# Altium PCB fastcar.PcbDoc (part 5 of 6)
Units mm, origin at the board's own origin, x right, y up, seen from the top; angles counter-clockwise.
Board outline 341.4 x 93 mm, 6 copper layers (Component Side, Signal 1, Signal 2, GND, POWER, Solder Side); 271 components, 375 nets, 1876 pads, 1375 vias.
Unrouted connection lines stored in the file: 4.
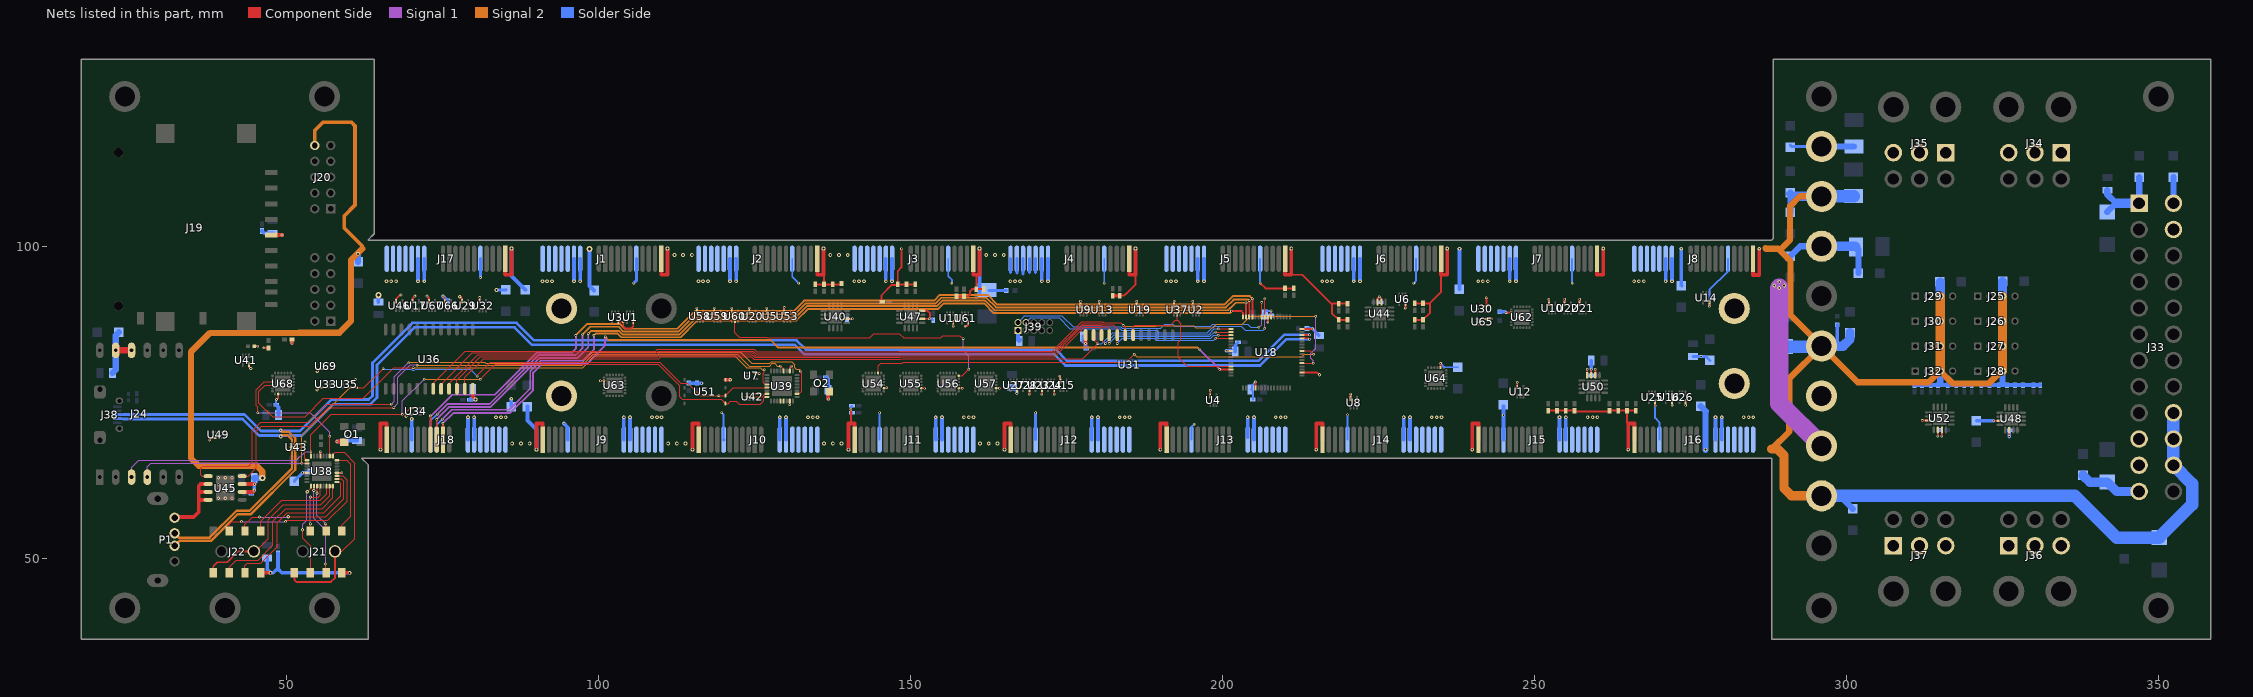
[diagram p9: the nets of this part, all layers, seen from the top]

## Via types
v1: diameter 0.4, hole 0.2, Component Side to Solder Side, 984 vias
v2: diameter 0.6, hole 0.3, Component Side to Solder Side, 212 vias
v3: diameter 0.5, hole 0.2, Component Side to Solder Side, 152 vias
v4: diameter 1, hole 0.5, Component Side to Solder Side, 27 vias

## Nets (pads, with @x,y where several pads share a name; then routed paths per layer and width w, separated by ;. In a path a pad name is that pad's centre, name@x,y a point inside that pad or via, vN(x,y) a via of type N, cw(c..) or ccw(c..) an arc to the next point about the centre after c; other vN are vias at no path point) (continued)
SG8CK: J24.4 U35.4 U38.10 U39.13 U51.6 | length 116.7
  Component Side w0.15: v1(52.4,65.2) U38.10@53.425,65.2 ; U35.4@60.25,77.35 61.1,77.35 v1(61.15,77.3) 62.3,77.3 v1(65.4,80.4) ; v1(80.5,79.2) 80.5,79.3 82.6,81.4 109.774,81.4 113.148,78.026 114.274,78.026 116.235,76.065 v1(119.235,76.065) U51.6@120.275,76.065 121.56,77.35 U39.13@127.175,77.35
  Signal 1 w0.15: J24.4@27.62,63 27.62,64.62 28.2,65.2 v1(52.4,65.2)
  Signal 2 w0.15: v1(52.4,65.2) 52.4,69.6 60.1,77.3 v1(61.15,77.3)
  Solder Side w0.15: v1(65.4,80.4) 65.4,80.3 69.899,80.3 70.074,80.125 70.426,80.125 70.626,80.325 79.375,80.325 v1(80.5,79.2)
SG8MOSI: J24.3 U34.4 U38.8 U39.16 U51.5 | length 120.6
  Component Side w0.15: U38.8@53.85,66.125 53.85,69.8 57.1,73.05 68.728,73.05 U34.4@69.728,74.05 ; v1(81,78.7) 83.4,81.1 109.477,81.1 112.975,77.602 112.975,75.875 113.4,75.45 119.62,75.45 U51.5@120.275,74.795 120.696,74.795 121.026,75.125 122.025,75.125 122.475,74.675 125.876,74.675 126.425,75.224 126.425,75.625 126.65,75.85 U39.16@127.1,75.85
  Signal 1 w0.15: J24.3@25.08,63 25.08,64.58 26.2,65.7 51.5,65.7 52.9,67.1 v1(53.85,67.1) ; v1(68.5,73.05) 68.5,75.2 v1(72,78.7)
  Signal 2 w0.15: v1(72,78.7) v1(81,78.7)
SIGMISO: U56.12 U60.2 | length 47.1
  Component Side w0.15: U60.2@121.8,88.1 121.8,86.16 122.535,85.425 126.897,85.425 127.022,85.3 143.4,85.3 144.075,85.975 148.174,85.975 148.849,85.3 154.801,85.3 155.126,85.625 157.875,85.625 158.3,85.2 v1(158.4,85.2) ; U56.12@157.675,79.25 158.25,79.25 v1(159.3,80.3)
  Signal 1 w0.15: v1(158.4,85.2) 158.4,83.297 159.3,82.397 v1(159.3,80.3)
SLOTINT: U18.41 U54.14 | length 74.3
  Component Side w0.15: U54.14@144.75,79.675 144.75,80.85 145.175,81.275 148.65,81.275 148.775,81.4 184.5,81.4 v1(185.8,82.7) ; U18.41@212.7,83.25 214.05,83.25 v1(214.6,82.7)
  Signal 2 w0.15: v1(185.8,82.7) 186.225,82.275 212.675,82.275 213.1,82.7 v1(214.6,82.7)
SPIADDR0: U18.1 U31.23 U36.23 | length 130.1
  Component Side w0.15: U36.23@78.515,77.15 78.515,78.974 81.541,82 109.576,82 109.876,82.3 124.401,82.3 124.827,81.875 127.451,81.875 ; 127.451,81.875 148.401,81.875 148.526,82 177.6,82 v1(180,84.4) 179.285,85.115 U31.23@179.285,85.75 ; v1(199.3,86.75) U18.1@201.3,86.75
  Solder Side w0.15: v1(180,84.4) 180.599,84.4 182.349,86.15 189.426,86.15 189.726,85.85 197.75,85.85 198.65,86.75 v1(199.3,86.75)
SPIADDR1: U18.2 U31.22 U36.22 | length 132.5
  Component Side w0.15: U36.22@77.245,77.15 77.245,78.55 80.995,82.3 109.451,82.3 109.751,82.6 124.526,82.6 124.951,82.175 127.326,82.175 148.277,82.175 148.402,82.3 173.074,82.3 177.774,87 180.41,87 180.555,86.855 180.555,85.045 v1(181.2,84.4) ; v1(198.9,86.25) U18.2@201.3,86.25
  Solder Side w0.15: v1(181.2,84.4) 181.2,84.441 182.609,85.85 189.301,85.85 189.601,85.55 197.926,85.55 198.626,86.25 v1(198.9,86.25)
SPIADDR2: U18.3 U31.21 U36.21 | length 133.9
  Component Side w0.15: U36.21@75.975,77.15 75.975,78.025 80.55,82.6 109.327,82.6 109.627,82.9 124.65,82.9 125.075,82.475 127.202,82.475 148.153,82.475 148.278,82.6 172.949,82.6 177.649,87.3 180.534,87.3 180.759,87.075 181.575,87.075 181.825,86.825 U31.21@181.825,85.75 v1(181.825,84.425) ; v1(199.3,85.75) U18.3@201.3,85.75
  Solder Side w0.15: v1@181.8,84.37 181.825,84.395 v1(181.825,84.425) 182.95,85.55 189.177,85.55 189.477,85.25 198.051,85.25 198.551,85.75 v1(199.3,85.75)
SPIADDR3: U18.4 U31.20 U36.20 | length 135.1
  Component Side w0.15: U36.20@74.705,77.15 74.705,77.885 79.72,82.9 109.203,82.9 109.503,83.2 124.774,83.2 125.199,82.775 126.999,82.775 148.028,82.775 148.153,82.9 172.825,82.9 177.525,87.6 180.659,87.6 180.839,87.42 182.47,87.42 183.095,86.795 U31.20@183.095,85.75 v1(183.095,84.405) ; v1@198.85,85.25 v1(198.9,85.25) U18.4@201.3,85.25
  Solder Side w0.15: v1(183.095,84.405) 183.095,84.435 183.91,85.25 189.053,85.25 189.353,84.95 198.6,84.95 v1(198.9,85.25)
SPIADDR4: U18.13 U31.18 U37.2 | length 25.8
  Component Side w0.15: U31.18@185.635,85.75 185.635,87.065 185.9,87.33 191.629,87.33 192.424,88.125 192.695,88.125 192.7,88.13 ; U37.2@192.7,89.1 192.7,88.13 ; 200.2,80.75 U18.13@201.3,80.75 ; 200.825,80.75 194.35,80.75 192.9,82.2 192.9,84.6 193.3,85 193.3,87.601 192.771,88.13 192.7,88.13
SS: U18.37 U31.19 U36.19 | length 159.5
  Component Side w0.15: U36.19@73.435,77.15 73.435,78.035 78.09,82.69 78.09,82.701 78.339,82.95 78.35,82.95 78.6,83.2 109.079,83.2 109.379,83.5 124.899,83.5 125.324,83.075 126.3,83.075 147.904,83.075 148.029,83.2 172.701,83.2 177.401,87.9 180.783,87.9 180.963,87.72 183.65,87.72 v1(184.07,87.3) 184.365,87.005 U31.19@184.365,85.75 ; U18.37@212.7,81.25 v1(214.5,81.25)
  Signal 1 w0.15: v1(214.5,81.25) 214.5,81.65 214.1,82.05 214.1,82.845 214.9,83.645 v1(214.9,88.8)
  Signal 2 w0.15: v1(184.07,87.3) 184.195,87.175 189.225,87.175 189.325,87.275 195.375,87.275 195.675,86.975 198.5,86.975 199,87.475 203.099,87.475 204.424,88.8 v1(214.9,88.8)
SWCLK: J39.4 U18.57 | length 47.9
  Component Side w0.15: U18.57@206.75,88.7 v1(206.75,91.55)
  Signal 1 w0.15: v1(206.75,86.85) v1(206.75,91.55)
  Solder Side w0.15: J39.4@168.46,87.77 169.235,88.545 173.755,88.545 175.5,86.8 183.545,86.8 183.77,86.575 189.425,86.575 189.85,86.15 197.55,86.15 198.575,87.175 203,87.175 203.6,86.575 206.475,86.575 v1(206.75,86.85)
SWDIO: J39.2 U18.58 | length 47.1
  Component Side w0.15: U18.58@206.25,88.7 v1(206.25,91)
  Signal 1 w0.15: v1(205.8,87) 206.225,87.425 206.225,90.975 v1(206.25,91)
  Solder Side w0.15: J39.2@167.19,87.77 168.221,88.801 168.221,88.845 168.276,88.9 174.227,88.9 176.027,87.1 183.669,87.1 183.894,86.875 190.075,86.875 190.7,87.5 192,87.5 192.3,87.2 198.101,87.2 198.376,87.475 204.026,87.475 204.476,87.025 205.775,87.025 v1(205.8,87)
THERM0: J18.A8 U18.61 | length 150.3
  Component Side w0.3: J18.A8@73,69 v1(73,72.8) ; U18.61@204.75,88.7 v1(204.75,91.6)
  Signal 1 w0.3: v1(73,72.8) 73.093,72.8 73.893,73.6 73.9,73.6 76.5,76.2 83.307,76.2 90.107,83 95.7,83 96.3,83.6 v1(96.3,85.7)
  Signal 2 w0.3: v1(96.3,85.7) 98.15,87.55 103.35,87.55 104.125,86.775 112.566,86.775 115.391,89.6 131.2,89.6 132.9,91.3 153.755,91.3 154.655,92.2 162.3,92.2 163.85,90.65 199.95,90.65 ; 199.4,90.65 199.95,90.65 ; v1(204.75,91.6) 204.35,92 201.6,92 200.25,90.65 199.95,90.65
THERM1: J18.B8 U18.62 | length 149.1
  Component Side w0.3: U18.62@204.25,88.7 v1(204.25,91.3)
  Signal 1 w0.3: v1(74.1,73.1) 75.7,74.7 82.464,74.7 90.314,82.55 96.25,82.55 97.4,83.7 v1(97.4,85.9)
  Signal 2 w0.3: v1(97.4,85.9) 98.6,87.1 103.164,87.1 103.939,86.325 112.752,86.325 115.527,89.1 131.4,89.1 133.15,90.85 153.977,90.85 154.877,91.75 162.114,91.75 163.664,90.2 200.2,90.2 ; 199.3,90.2 200.2,90.2 ; v1(204.25,91.3) 204.1,91.45 201.75,91.45 200.5,90.2 200.2,90.2
  Solder Side w0.3: J18.B8@73,69 73,72 v1(74.1,73.1)
THERM2: J18.A9 U18.63 | length 146
  Component Side w0.3: J18.A9@74,69 v1(74,72.25) ; U18.63@203.75,88.7 v1(203.75,90.95)
  Signal 1 w0.3: v1(74,72.25) 76,74.25 82.65,74.25 90.5,82.1 96.6,82.1 98.3,83.8 v1(98.3,86)
  Signal 2 w0.3: v1(98.3,86) 98.739,86.439 103.188,86.439 103.752,85.875 112.939,85.875 115.664,88.6 131.536,88.6 133.336,90.4 154.164,90.4 155.064,91.3 161.927,91.3 163.477,89.75 200.85,89.75 200.9,89.8 200.9,89.807 201.193,90.1 201.2,90.1 202.05,90.95 v1(203.75,90.95)
THERM3: J18.B9 U18.64 | length 144.6
  Component Side w0.3: v1(201.4,89.6) 203,89.6 203.25,89.35 U18.64@203.25,88.7
  Signal 1 w0.3: v1(74.9,72.3) 76.4,73.8 85.6,73.8 89,77.2 89,79.936 90.714,81.65 97.398,81.65 99.2,83.452 v1(99.2,85.7)
  Signal 2 w0.3: v1(99.2,85.7) 99.489,85.989 103.001,85.989 103.566,85.425 113.125,85.425 115.8,88.1 131.673,88.1 133.498,89.925 154.325,89.925 155.25,90.85 161.741,90.85 163.291,89.3 201.1,89.3 v1(201.4,89.6)
  Solder Side w0.3: J18.B9@74,69 74,71.4 v1(74.9,72.3)
THERM4: J18.A10 U18.14 | length 139.3
  Component Side w0.3: J18.A10@75,69 v1(75,71.6) ; v1(199.501,80.25) U18.14@201.3,80.25
  Signal 1 w0.3: v1(75,71.6) 76.7,73.3 85.8,73.3 89.45,76.95 89.45,79.75 90.9,81.2 98.1,81.2 101,84.1 v1(101,85.489) ; v1(196.225,83.525) v1@199.5,80.25
  Signal 2 w0.3: v1(101,85.489) 101.514,84.975 127.525,84.975 128.7,83.8 195.95,83.8 v1(196.225,83.525)
UAENABLE: J21.5 U38.18 | length 15
  Component Side w0.15: v3(54.3,60.85) 54.35,60.9 U38.18@54.35,61.775 ; v3(56.2,49.05) 56.2,47.72 J21.5@56.27,47.65
  Signal 1 w0.15: v3(54.3,60.85) 54.273,60.823 54.273,56.377 56.2,54.45 v3(56.2,49.05)
UAGPIO0: J21.6 U38.19 | length 8
  Component Side w0.15: v3(54.8,60.4) 54.85,60.45 U38.19@54.85,61.775 ; J21.6@56.27,54.35 v3@56.27,55.43
  Signal 1 w0.15: v3(54.8,60.4) 54.8,56.9 v3(56.2,55.5)
UAGPIO2: J21.4 U38.20 | length 8.8
  Component Side w0.15: J21.4@53.73,54.35 v3@53.73,55.48 ; v3(53.75,59.8) 55.05,59.8 55.35,60.1 U38.20@55.35,61.775
  Signal 1 w0.15: v3(53.75,55.5) v3(53.75,59.8)
UARESET: J21.3 U38.17 | length 15.3
  Component Side w0.15: v3(52.5,54.55) 52.5,53.2 53.8,51.9 53.8,47.72 J21.3@53.73,47.65 ; v3(53.25,60.65) 53.85,61.25 U38.17@53.85,61.775
  Signal 1 w0.15: v3(52.5,54.55) 52.5,55.45 53.15,56.1 53.15,60.55 v3(53.25,60.65)
UARTMISO: U38.9 U43.2 | length 4.5
  Component Side w0.15: U43.2@50.75,67.8 52.7,67.8 52.85,67.65 52.85,66 53.15,65.7 U38.9@53.425,65.7
UARTRESET: U38.2 U68.3 | length 23.8
  Component Side w0.15: v1(45.3,73.3) 45.3,74.25 45.096,74.454 45.096,76.996 46.35,78.25 U68.3@47.675,78.25 ; U38.2@56.85,66.125 v1(56.85,69.55)
  Signal 1 w0.15: v1(45.3,73.3) 53.7,73.3 56.85,70.15 v1(56.85,69.55)
UARXD: J21.1 U38.1 | length 33.2
  Component Side w0.15: U38.1@57.35,66.125 57.35,66.6 57.7,66.95 59.15,66.95 60.85,65.25 60.85,53.15 58.8,51.1 J21.1@57.7,51.1
  Component Side w0.3: J21.1@51.19,47.65 51.19,46.51 51.5,46.2 57.05,46.2 57.7,46.85 J21.1@57.7,51.1
UATXD: J21.8 U38.32 | length 14.7
  Component Side w0.15: U38.32@57.775,65.7 59.6,65.7 60.25,65.05 60.25,56.75 58.81,55.31 J21.8@58.81,54.35
  Component Side w0.3: J21.8@58.81,54.35 J21.8@59.25,54.79
UBENABLE: J22.5 U38.25 | length 26.3
  Component Side w0.15: J22.5@43.27,47.65 43.27,48.77 43.65,49.15 45.8,49.15 48.45,51.8 48.45,55.7 50.05,57.3 55.9,57.3 58.6,60 58.6,62 58.4,62.2 U38.25@57.775,62.2
UBGPIO0: J22.6 U38.26 | length 22.9
  Component Side w0.15: J22.6@43.27,54.35 43.27,55.47 44.4,56.6 v3(45.6,56.6) ; v3(50.2,56.65) 56.25,56.65 59.1,59.5 59.1,62.3 58.7,62.7 U38.26@57.775,62.7
  Signal 1 w0.15: v3(45.6,56.6) 50.15,56.6 v3(50.2,56.65)
UBGPIO2: J22.4 U38.27 | length 27.1
  Component Side w0.15: J22.4@40.73,54.35 40.73,55.45 41.13,55.85 v3(42.7,55.85) ; v3(49.75,55.85) 49.95,56.05 56.55,56.05 59.65,59.15 59.65,62.5 58.95,63.2 U38.27@57.775,63.2
  Signal 1 w0.15: v3(42.7,55.85) v3(49.75,55.85)
UBRESET: J22.3 U38.24 | length 26.5
  Component Side w0.15: J22.3@40.73,47.65 40.73,48.53 41.9,49.7 45.4,49.7 47.75,52.05 47.75,55.9 49.8,57.95 55.65,57.95 57.35,59.65 U38.24@57.35,61.775
UBRXD: J22.1 U38.23 | length 27.9
  Component Side w0.15: J22.1@44.825,50.975 47,53.15 47,56.2 49.4,58.6 55.45,58.6 56.85,60 U38.23@56.85,61.775
  Component Side w0.3: J22.1@38.19,47.65 38.19,48.69 38.85,49.35 40.4,49.35 42.15,51.1 J22.1@44.7,51.1
UBTXD: J22.8 U38.22 | length 15.4
  Component Side w0.15: J22.8@45.81,54.35 45.81,55.91 49.15,59.25 55.3,59.25 56.35,60.3 U38.22@56.35,61.775
USB5V: P1.1 U45.6 U45.7 U45.8 | length 13.3
  Component Side w0.6: P1.1@31.987,56.482 32.104,56.6 35.05,56.6 35.85,57.4 35.85,59.6 ; U45.8@37.375,59.345 36.105,59.345 35.85,59.6 ; U45.7@37.375,60.615 36.035,60.615 35.85,60.8 ; U45.6@37.375,61.885 36.135,61.885 35.85,61.6 35.85,60.8 ; 35.85,59.6 35.85,60.8
USB_N: J38.2 P1.2 U18.45 | length 238.4
  Component Side w0.3: U18.45@212.7,85.25 213.75,85.25
  Signal 2 w0.381: P1.2@31.987,53.983 32.67,53.3 37.6,53.3 41.9,57.6 44,57.6 50.8,64.4 50.8,69 50.065,69.735 49.235,69.735 v2(49,69.5)
  Solder Side w0.43: J38.2@22.8,72.35 23.69,72.35 23.73,72.31 42.89,72.31 45.53,69.67 48.83,69.67 v2(49,69.5) 49.17,69.67 52.402,69.67 57.432,74.7 63.402,74.7 64.43,75.728 64.43,81 70.43,87 86.5,87 89.306,84.194 131.406,84.194 132.9,82.7 172.968,82.7 174.768,80.9 206,80.9 210.2,85.1 213.6,85.1 v1(213.9,85.1)
USB_P: J38.3 P1.3 U18.46 | length 240.2
  Component Side w0.3: U18.46@212.7,85.75 v1@213.822,85.75
  Signal 2 w0.381: P1.3@31.987,51.981 32.774,52.769 37.82,52.769 42.12,57.069 44.22,57.069 51.331,64.18 51.331,69.22 50.285,70.266 49.235,70.266 v2(49,70.5)
  Solder Side w0.43: J38.3@22.8,73 23.69,73 23.73,73.04 43.192,73.04 45.832,70.4 48.9,70.4 v2(49,70.5) 49.1,70.4 52.1,70.4 57.13,75.43 63.1,75.43 63.7,76.03 63.7,81.302 70.128,87.73 86.802,87.73 89.608,84.924 131.708,84.924 133.202,83.43 173.27,83.43 175.07,81.63 205.698,81.63 209.898,85.83 v1(213.902,85.83)
USBDNEG: U39.20
USBDPOS: U39.21
USBEN: U39.4 U45.4 | length 102.7
  Component Side w0.15: U45.4@42.825,63.155 43.795,63.155 45.1,64.46 45.1,70.35 45.9,71.15 53.6,71.15 56.6,74.15 v1(67.1,74.15) ; v1(129.1,80.8) 129.15,80.8 129.625,80.325 129.625,80.175 129.6,80.15 U39.4@129.6,79.775
  Signal 1 w0.15: v1(67.1,74.15) 67.75,74.8 67.75,79 69.625,80.875 69.676,80.875 69.801,81 v1@70.85,81 ; v1(70.85,80.95) v1@70.85,81
  Signal 2 w0.15: v1@70.95,80.9 97.3,80.9 99.125,82.725 122.175,82.725 124.1,80.8 127.399,80.8 127.824,81.225 128.176,81.225 128.601,80.8 v1(129.1,80.8)
USBMISO: U39.15 U42.2 | length 3.5
  Component Side w0.15: U42.2@123.9,75.85 126.151,75.85 126.31,76.009 126.31,76.016 126.644,76.35 U39.15@127.175,76.35
USBOC: U39.26 U45.5 | length 117.9
  Component Side w0.15: U45.5@37.375,63.155 36.395,63.155 36.2,63.35 36.2,64.4 36.55,64.75 43.85,64.75 44.45,65.35 44.45,70.4 45.8,71.75 53.4,71.75 56.35,74.7 v1(66.75,74.7) ; U39.26@131.525,76.35 132.056,76.35 132.5,76.794 132.5,79.95 132.45,80 v1(132.3,80)
  Signal 1 w0.15: v1(66.75,74.7) 67.2,75.15 67.2,79.1 v1@69.375,81.275
  Signal 2 w0.15: v1(69.5,81.3) 69.5,81.35 69.45,81.4 81.699,81.4 81.824,81.275 97.175,81.275 98.925,83.025 122.715,83.025 124.5,81.24 127.415,81.24 127.7,81.525 130.925,81.525 131.425,81.025 131.425,80.499 131.674,80.25 132.2,80.25 132.3,80.15 v1(132.3,80)
USBRESET: U39.12 U68.4 | length 94.5
  Component Side w0.15: U68.4@47.675,77.75 46.5,77.75 45.5,76.75 45.5,74.857 47.707,72.65 52.9,72.65 55.85,75.6 62.25,75.6 67.15,80.5 70.25,80.5 v1@70.3,80.55 ; v1(126.5,80.2) 126.5,79.779 126.31,79.589 126.31,78.184 126.544,77.95 126.909,77.95 127.009,77.85 U39.12@127.175,77.85
  Signal 2 w0.15: v1@70.25,80.5 97.45,80.5 99.375,82.425 121.775,82.425 123.7,80.5 125.9,80.5 126.2,80.2 v1(126.5,80.2)
  other v1: 70.25,80.55
V3V3: C1.1 C2.1 C3.1 C4.1 C5.1 C6.1 C7.1 C8.1 C9.1 C10.1 C11.1 C12.1 C13.1 C14.1 C15.1 C16.1 C17.1 C18.1 C19.1 C20.1 C21.1 C22.1 C23.1 C25.1 C27.1 C28.1 C29.1 C30.1 C31.1 C32.1 C33.1 C34.1 C35.1 C36.1 C37.1 C38.1 C39.2 C40.1 C41.1 C42.2 C43.2 C44.2 C45.2 C46.2 C47.1 C48.1 C49.2 C50.1 C51.1 C52.2 C53.2 C54.2 C55.2 C56.2 J1.B5 J2.B5 J3.B5 J4.B5 J5.B5 J6.B5 J7.B5 J8.B5 J9.B5 J10.B5 J11.B5 J12.B5 J13.B5 J14.B5 J15.B5 J16.B5 J17.B5 J18.B5 J19.4 J21.7 J22.7 J24.10 J24.11 J33.1 J33.12 J33.13 J39.1 O1.4 O2.4 P2-V3V3.1 P3-V3V3.1 R1.2 R2.2 R3.2 R26.2 R30.1 R52.1 R56.1 U1.5 U2.5 U3.5 U4.5 U5.5 U6.5 U7.5 U8.5 U9.5 U10.5 U11.5 U12.5 U13.5 U14.5 U15.5 U16.5 U17.5 U18.8 U18.21 U18.34 U18.48 U18.56 U19.5 U20.5 U21.5 U22.5 U23.5 U24.5 U25.5 U26.5 U27.5 U28.5 U29.5 U30.5 U31.24 U32.5 U33.5 U34.5 U35.5 U36.24 U37.5 U38.5 U38.13 U38.28 U39.2 U39.23 U40.14 U41.5 U42.5 U43.5 U44.14 U44.15 U46.5 U47.14 U47.16 U48.11 U48.14 U49.5 U50.14 U50.15 U50.16 U51.8 U52.11 U52.14 U52.15 U53.5 U54.8 U55.8 U56.8 U57.8 U58.5 U59.5 U60.5 U61.5 U62.8 U63.8 U64.8 U65.5 U66.5 U67.5 U68.8 U69.5 | length 307.3
  Component Side w0.3: v3(37.55,68.95) 37.85,69.25 U49.5@38.3,69.25 ; U41.5@43.9,81.05 43.9,80.7 v3(44.2,80.4) ; R1.2@44.75,84 v1(45.3,84) ; v1(46.3,83.7) R3.2@47.05,83.7 ; v3(48.3,75.45) 48.35,75.45 48.6,75.7 U68.8@48.6,76.325 ; U43.5@52.15,68.3 52.6,68.3 v3(52.9,68.6) ; v1(52.5,63.7) U38.13@53.185,63.7 U38.13@53.425,63.7 ; v3@54.7,77 v3(54.8,77) 54.85,77 55.3,77.45 55.4,77.45 U33.5@55.5,77.35 ; v3@54.75,79.95 v3(54.85,79.95) 55.2,80.3 U69.5@55.55,80.3 ; U38.5@55.35,66.125 v1(55.35,67.05) ; U38.28@57.775,63.7 U38.28@58.015,63.7 v1(58.8,63.7) ; U35.5@60.25,78.35 60.7,78.35 v3(61,78.65) ; U46.5@67.5,91.2 67.5,91.55 68.15,92.2 v3(68.3,92.2) ; v3(69.1,72.75) 69.4,73.05 U34.5@69.85,73.05 ; U17.5@70.15,91.2 70.15,91.65 v3(70.5,92) ; v3(72.45,92) 72.75,91.7 U67.5@72.75,91.25 ; v3(75,92) 75.3,91.7 U66.5@75.3,91.25 ; v3@77.75,91.95 78.05,91.65 U29.5@78.05,91.2 ; U32.5@80.89,91.18 80.9,91.19 v1(80.9,91.8) ; v1(100.25,78.45) U63.8@100.825,78.45 ; U3.5@103.1,87.9 v1(103.9,87.9) 103.9,87.2 104.3,86.8 105.1,86.8 105.5,87.2 U1.5@105.5,87.9 U1.5@105.5,88.2 ; U58.5@115.7,89.575 v1(115.7,90.1) ; U59.5@118.5,89.7 v1(118.5,90.1) ; U60.5@121.3,89.65 v1(121.3,90.1) ; U20.5@124.1,89.65 v1(124.1,90.1) ; U7.5@125.14,79.71 125.25,79.6 v1(125.7,79.6) ; U42.5@125.3,76.35 v1(125.95,76.35) ; U5.5@126.9,89.75 v1(126.9,90.1) ; U53.5@129.7,89.5 v1(129.7,90.2) ; U39.23@130.6,75.185 v1(130.6,74.6) v1@130.651,74.6 ; U39.23@130.6,75.425 130.625,75.4 U39.23@130.625,75.185 ; U39.2@130.6,79.775 U39.2@130.6,80.015 130.6,80.5 v1(130.9,80.8) ; U40.14@139.725,88.375 v1(140.635,88.375) ; U54.8@145.675,77.25 146.099,77.25 v1(146.15,77.3) ; U55.8@151.675,77.25 152.15,77.25 v1(152.2,77.2) ; U47.16@151.825,89.675 152.657,89.675 153.1,89.232 153.1,88.5 v1(152.975,88.375) U47.14@151.825,88.375 U47.14@151.85,88.4 ; v1(156.8,87.2) U11.5@156.8,87.8 ; U56.8@157.675,77.25 v1(158.25,77.25) ; v1(158.7,87.2) 159,87.2 159.2,87.4 U61.5@159.2,87.8 ; U57.8@163.675,77.25 v1(164.2,77.25) ; v1(167,76.4) U27.5@167,77 ; v1(169,76.3) 169,76.4 U28.5@169,77 ; v1(171,76.3) U23.5@171,77 ; v1(173,76.3) U24.5@173,77 ; v1(173.9,79.2) 173.9,78.5 U15.5@174,78.4 ; U9.5@177.2,90.5 v1(177.2,91.2) ; U13.5@180.2,90.5 v1(180.2,91.2) ; U37.5@192.2,90.5 v1(192.2,91.2) ; U2.5@195.2,90.5 v1(195.2,91.2) ; U4.5@198,76 198,76.7 ; v1(200.55,83.25) U18.8@201.3,83.25 ; U18.21@205.25,77.3 v1(205.25,78.25) v1@205.29,78.29 ; v1(206,94.1) 206.03,94.1 206.88,93.25 R52.1@210,93.25 R56.1@211.4,93.25 ; v1(207.25,87.85) U18.56@207.25,88.7 ; U18.34@212.7,79.75 215.15,79.75 v3(215.5,79.4) ; U18.48@212.7,86.75 213.97,86.75 v1(214.4,86.75) ; v1@219.9,73 v1(220,73) ; U8.5@220.5,75.6 v1(220.5,76.3) ; U44.15@224.805,91.045 224.805,91.605 v1(225.1,91.9) 225.455,91.545 U44.14@225.455,91.045 ; v1(229.29,90.1) U6.5@229.29,90.78 ; U64.8@234.92,80.545 v1(234.92,81.22) ; U30.5@242.26,90.45 v1(242.26,91.76) ; U65.5@242.27,88.36 v1(243.06,88.36) ; v1(245.42,89.38) U62.8@246.255,89.38 ; v1(247.2,78.2) 247.21,78.19 U12.5@247.21,77.41 ; U10.5@252.3,90.8 v1(252.3,91.5) ; U22.5@254.8,90.81 v1(254.8,91.5) ; U21.5@257.2,90.8 v1(257.2,91.5) ; U50.16@258.425,79.325 v1(258.425,80.275) ; U50.15@259.075,79.325 v1(259.075,80.275) ; U50.14@259.725,79.325 v1(259.725,80.275) ; v1(269.32,74.4) U25.5@269.32,75.1 ; v1(272.02,74.54) U16.5@272.02,75.12 ; v1(274.2,74.53) U26.5@274.2,75.11 ; v1(278,90.4) U14.5@278,91.08 ; v1(312.125,72.075) U52.11@313.125,72.075 ; v1(314.625,69.575) U52.14@314.625,70.575 ; v1(315.275,69.575) U52.15@315.275,70.575 ; v1(323.575,72.025) U48.11@324.575,72.025 ; v1(326.075,69.525) U48.14@326.075,70.525 ; U19.5@186.2,90.5 v1(186.2,91.2) U19.5@186.2,90.5
  Component Side w0.6: J22.7@45.81,47.65 v2(47.35,47.65) ; J19.4@47.5,101.805 v3(49.195,101.805) ; v1(50.8,84.45) R2.2@50.8,85.05 ; v3(58,68.7) 59.045,68.7 O1.4@59.165,68.58 ; J21.7@58.81,47.65 v2(60.05,47.65) ; U36.24@79.785,77.15 79.785,75.865 v2(80.2,75.45) ; U51.8@120.28,78.6 v2(121.05,78.6) ; v3(136.785,75.499) 136.785,76.544 O2.4@136.955,76.714 ; v3(178.015,84.415) U31.24@178.015,85.75
  Component Side w1: J24.11@22.5,83.44 22.58,83.36 J24.11@22.62,83.32 ; J24.11@22.54,83.32 J24.11@22.62,83.32 ; J24.10@25.08,83.32 J24.11@22.62,83.32
  Solder Side w0.3: C8.1@48.25,74.6 48.25,75.4 v3(48.3,75.45) ; v1(119.7,73.3) 120,73 J10.B5@120,69 ; J2.B5@131,98 131,95.1 v1(132,94.1) ; C20.1@139.77,88.31 140.65,88.31 140.635,88.325 v1(140.635,88.375) ; J11.B5@145,69 v1(145,73.3) ; v1(152.975,88.375) 153.325,88.375 153.35,88.4 C16.1@153.6,88.15 ; J3.B5@156,98 156,95.2 156.6,94.6 v1(156.6,94.1) ; v1(181,94.1) J4.B5@181,98 ; J13.B5@195,69 195,71.1 v1(195.4,71.5) ; C2.1@204.49,77.07 204.88,76.68 C5.1@204.88,75.4 ; C2.1@204.71,77.07 204.71,77.74 205.25,78.28 v1(205.25,78.25) ; v1(206,94.1) J5.B5@206,98 ; J14.B5@220,69 v1(220,73) ; v1(225.1,91.9) 225.11,91.9 225.355,91.655 C22.1@225.355,91.045 ; v1(230.6,94.1) 230.8,94.1 230.8,94.307 231,94.507 J6.B5@231,98 ; v1(234.92,81.22) 235.54,80.6 C43.2@237.7,80.6 ; v1(256,94.1) J7.B5@256,98 ; v1(259.075,80.275) 259.075,79.325 C28.1@259.1,79.3 ; v1(269.32,74.4) 269.32,72.52 269.3,72.5 270,71.8 J16.B5@270,69 ; v1(278,90.4) 278,93 281,96 J8.B5@281,98 ; v1(314.625,69.575) 314.625,70.175 C25.1@315,70.55 ; C25.1@314.95,70.55 314.975,70.525 315.275,70.225 v1(315.275,69.575)
  Solder Side w0.5: C55.2@51.2,62.3 51.2,62.4 v1(52.5,63.7) 53.35,63.7 C14.1@53.55,63.9 ; v3(81,95) J17.B5@81,98 ; v2(83.6,93) 85.071,93 C42.2@85.1,93.029 ; C53.2@85.95,74.271 v2(85.95,75.55) ; v1(105.6,94.1) 106,94.5 J1.B5@106,98 ; C17.1@166.2,77.4 166.4,77.4 167,76.8 v1(167,76.4) ; J12.B5@170,69 v1(170,73.3) ; v1(200.55,83.25) C23.1@201.85,83.25 ; C23.1@202,83.1 202,84.15 C36.1@202.45,84.6 ; C38.1@213.5,86.8 214.35,86.8 v1(214.4,86.75) 215.4,85.75 C33.1@215.4,85.7 ; C48.1@244.4,89.5 245.3,89.5 v1(245.42,89.38) ; C7.1@259.068,81.7 259.068,80.282 v1(259.075,80.275) ; v1(276.7,82.34) C31.1@275.42,82.34 277.46,82.34 C51.1@278.1,81.7 ; C46.2@291,116.2 291.2,116 P2-V3V3.1@296,116 ; C41.1@320.8,72.029 v1@323.571,72.029
  Solder Side w0.6: C18.1@46,102.45 46.35,102.1 C29.1@47.7,102.1 ; C1.1@46.82,50.03 46.82,48.18 v2(47.35,47.65) 47.8,47.65 48.55,48.4 ; C29.1@47.79,102.05 48.035,101.805 v3(49.195,101.805) ; C8.1@48.25,74.6 48.65,74.2 C19.1@48.65,72.95 ; C30.1@48.55,50.8 48.55,48.4 ; v3(58,68.7) 58.9,68.7 C12.1@59.5,69.3 59.95,68.85 C3.1@61.25,68.85 ; v2(60.05,47.65) 49.15,47.65 48.55,48.25 48.55,48.4 ; C27.1@64.65,91.07 v4(64.65,92.16) ; J18.B5@70,69 v2(70,72.3) ; v3(75,92) C6.1@75.81,91.19 ; C9.1@79.785,77.15 79.785,75.885 79.35,75.45 v2(80.2,75.45) ; v1(94.4,71.6) 95,71 J9.B5@95,69 ; R30.1@114.4,78.05 R26.2@115.7,78.05 v1(116.45,78.05) ; C4.1@136.385,78.999 136.735,78.649 C11.1@136.735,76.999 136.785,76.949 v3(136.785,75.499) ; J39.1@167.19,86.5 167.19,84.978 C21.1@167.368,84.8 ; C21.1@167.584,85.016 C21.1@167.6,85 ; C15.1@177.68,85.55 177.68,84.75 v3(178.015,84.415) 178.015,83.735 C32.1@178.15,83.6 ; J15.B5@245,69.001 v1(245,72.9) 245,73 C54.2@245,74.371 ; v1(326.075,69.525) 326.075,70.425 C34.1@326.15,70.5